# KiCad board open-TWIST_rev0.kicad_pcb (continued)
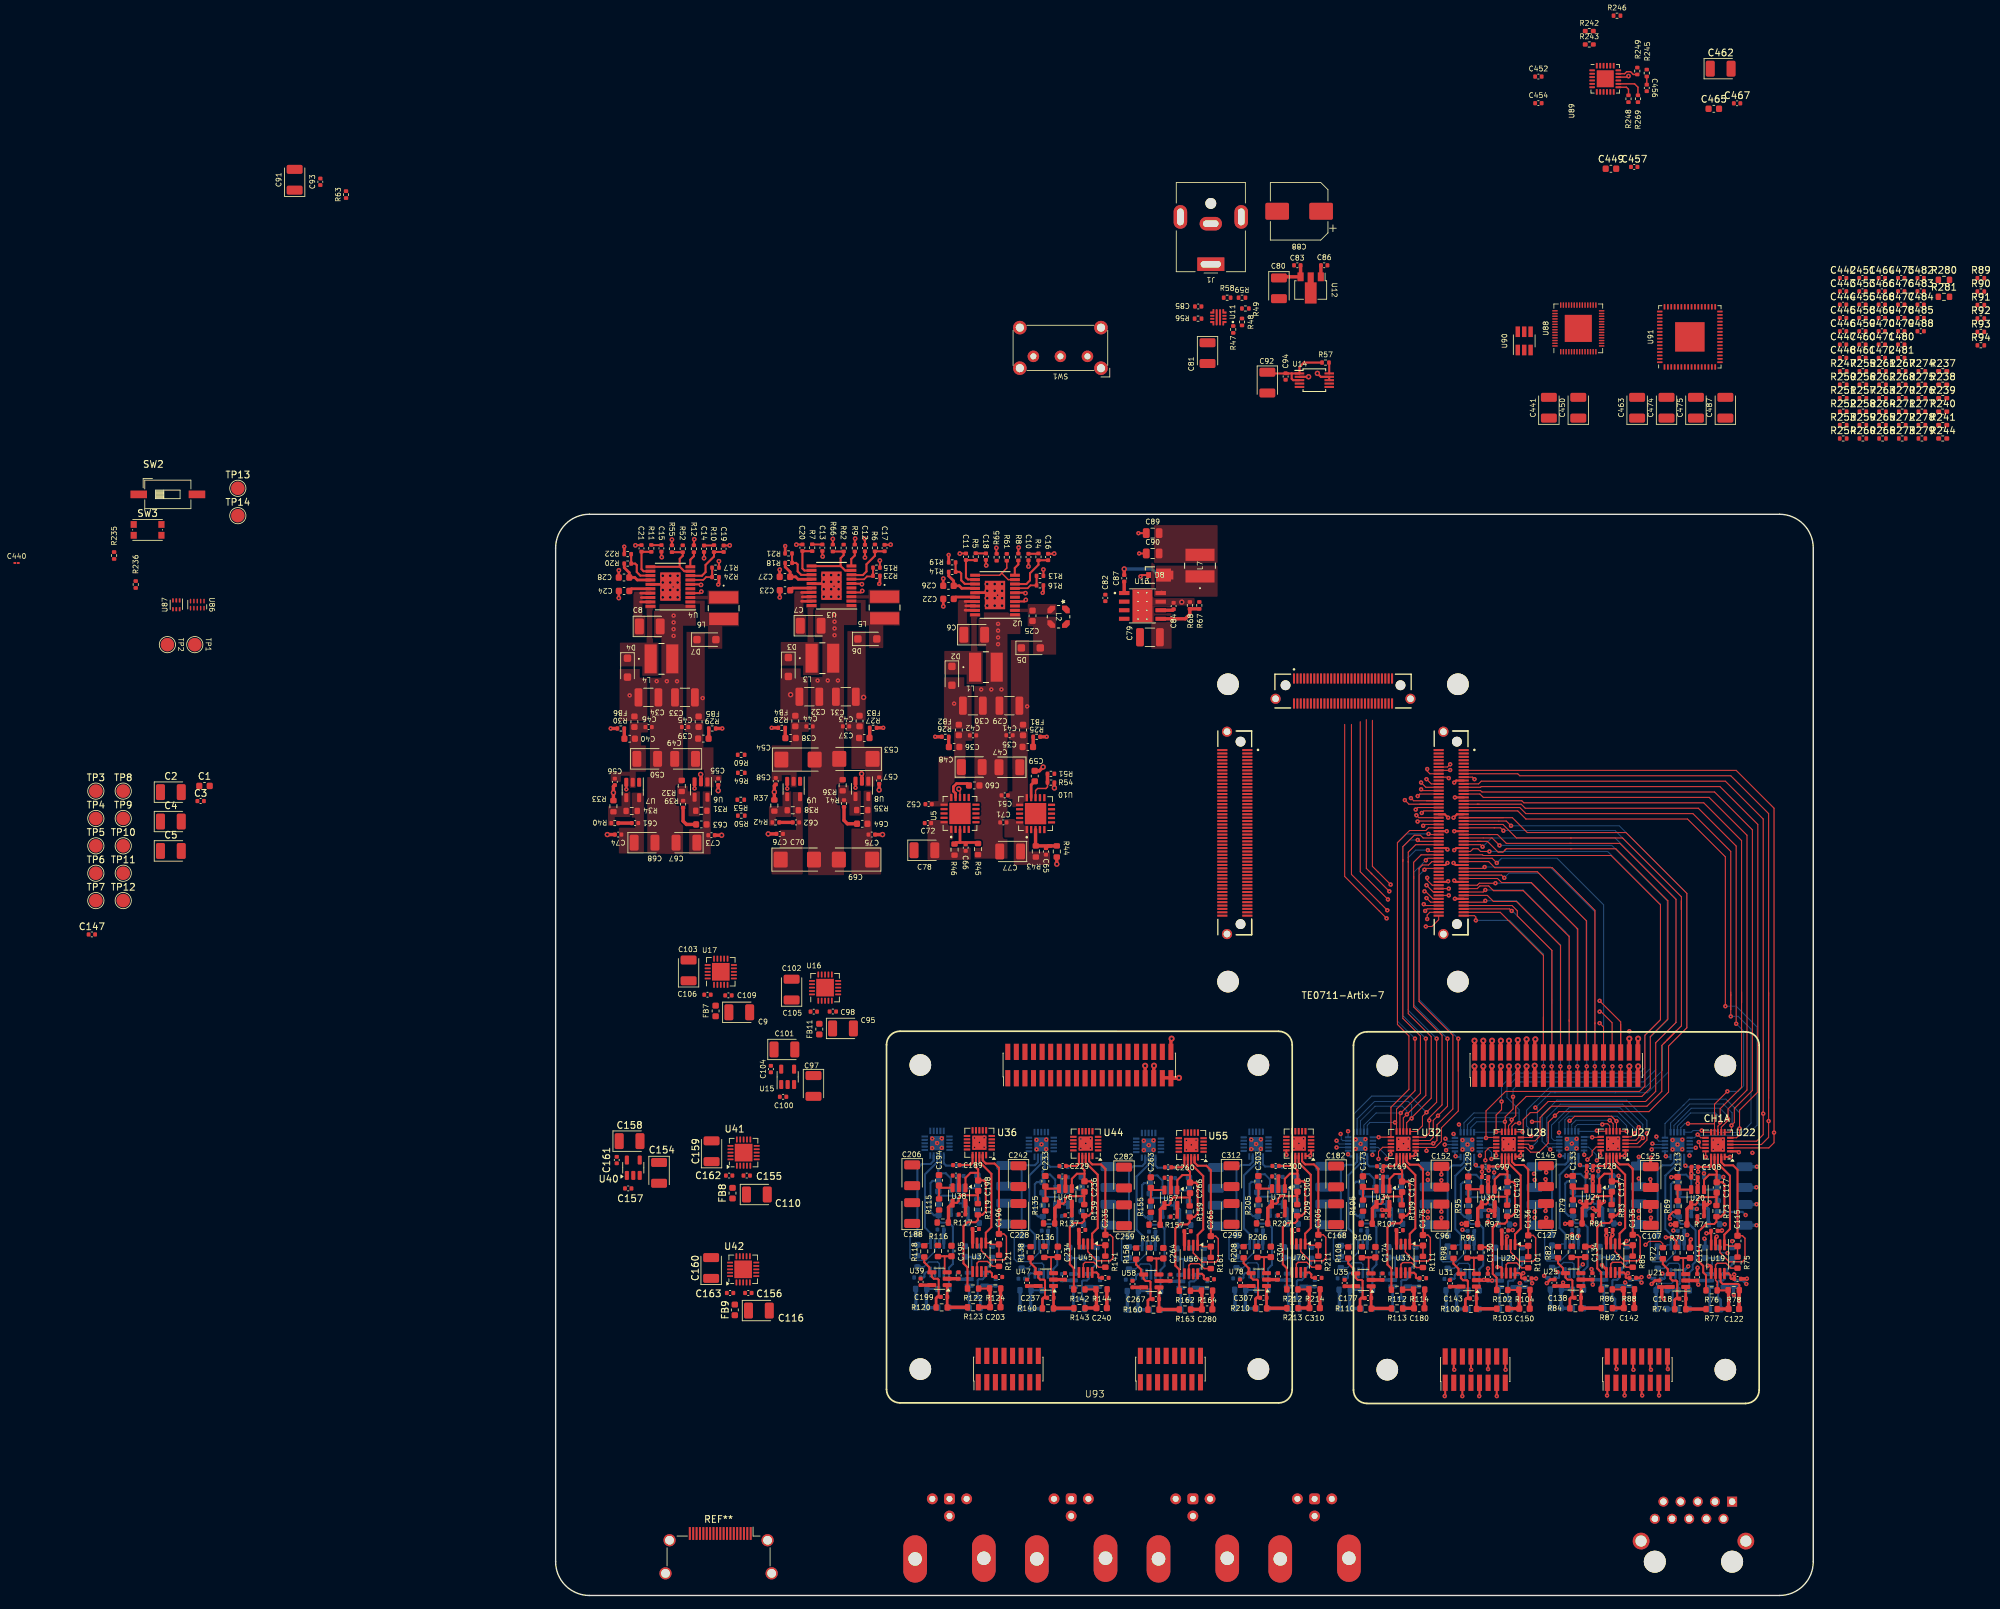
[diagram p0: board, top side]
## Routing (per net, layer and track width the routed paths; a pad name or vN(x,y) marks a point on that pad's centre or on a via; arc(x,y) is an arc through that point) (continued)
/DAC_STIM_B/Vref_DAC8: length 158.8
  IN1 w0.3: 37.3,37.7 171.2,37.7 175.2,41.7 175.2,47.3 176,48.1 v1(176,56.3)
  BOT SIG w0.3: R175.1 175.53,56.77 v1(176,56.3)
/DB5_A0: length 55.1
  TOP SIG w0.15: U26.148 129.1,113.6 128.7,113.2 126.3,113.2 124.5,111.4 124.5,84.5 126.2,82.8 126.2,74.9 123.54,72.24 U32.11 121.73,67.83 v1(121.72,67.82)
  BOT SIG w0.15: U83.11 121.71,67.81 v1(121.72,67.82)
/DB5_A1: length 57.1
  TOP SIG w0.15: U26.152 129.2,112.6 v1(129.1,112.7) ; 124.37,70 U32.10 ; 124.37,70 124.37,71.97 127.1,74.7 v1(127.1,82.4) ; 124.37,70 v1(124.14,70)
  BOT SIG w0.15: v1(124.14,70) 120.44,70 120.04,69.6 U83.10 ; v1(129.1,112.7) 125.8,112.7 124.5,111.4 124.5,85 v1(127.1,82.4)
/DB5_A2: length 58.1
  TOP SIG w0.15: U26.154 128.3,112.1 127.9,112.5 127,112.5 125.3,110.8 125.3,108.9 ; 125.3,108.9 125.3,108.6 ; 125.3,108.9 125.3,85.4 127.9,82.8 127.9,74.3 v1(125,71.4) 124.87,71.27 U32.9
  BOT SIG w0.15: v1(125,71.4) 121.35,71.4 119.54,69.59 U83.9
/DB5_A3: length 60.9
  TOP SIG w0.15: U32.8 125.37,70.67 v1(125.9,71.2) 128.7,74 v1(128.7,82.4) ; v1(127.5,111.8) 127.7,111.6 U26.156
  BOT SIG w0.15: v1(127.5,111.8) 126.3,111.8 125.3,110.8 125.3,85.8 v1(128.7,82.4) ; U83.8 119.04,70.24 121.2,72.4 125.2,72.4 125.9,71.7 v1(125.9,71.2)
/DB5_A4: length 62.6
  TOP SIG w0.15: 126.1,108.6 126.1,86.1 129.5,82.7 129.5,73.6 126.6,70.7 v1(126.6,70.6) 126.5,70.6 125.87,69.97 U32.7 ; 126.1,108.6 126.1,110 127.2,111.1 U26.158 ; 126.1,108.6 126.1,108.5
  BOT SIG w0.15: v1(126.6,70.6) 126.6,72.6 126.1,73.1 121.1,73.1 118.54,70.54 U83.7
/DB5_A5: length 65
  TOP SIG w0.15: v1(129,110.3) 129.2,110.1 U26.162 ; U32.6 127.36,68.66 128.2,69.5 128.2,70.9 v1(128.8,71.5) 130.3,73 v1(130.3,82.4)
  BOT SIG w0.15: v1(130.3,82.4) 126.1,86.6 126.1,109.2 127.2,110.3 v1(129,110.3) ; U83.6 118.04,71.24 120.7,73.9 126.4,73.9 v1(128.8,71.5)
/DB5_A6: length 65
  TOP SIG w0.15: U32.5 128.63,67.83 129.2,68.4 v1(129.2,70.3) 129.2,70.7 131.1,72.6 131.1,82.9 126.9,87.1 126.9,106.4 ; 126.9,106.4 126.9,108.5 128,109.6 U26.164 ; 126.9,106.4 126.9,106.1
  IN1 w0.15: v1(117.2,68.7) 117.2,70 119.2,72 126.9,72 128.6,70.3 v1(129.2,70.3)
  BOT SIG w0.15: v1(117.2,68.7) 117.21,68.69 U83.5
/DB5_A7: length 69.7
  TOP SIG w0.15: U26.166 129,109.1 v1(128.7,108.8) ; U32.4 129.33,67.33 129.8,67.8 129.8,70.3 v1(130.5,71) 131.9,72.4 v1(131.9,82.4)
  IN1 w0.15: v1(116.1,68.3) 116.1,69.9 118.9,72.7 129.6,72.7 130.5,71.8 v1(130.5,71)
  BOT SIG w0.15: U83.4 116.39,67.31 116.2,67.5 116.2,68.2 v1(116.1,68.3) ; v1(128.7,108.8) 126.95,107.05 126.95,87.35 v1(131.9,82.4)
/DB5_A8: length 69
  TOP SIG w0.15: 127.7,107.6 127.7,107.45 ; 127.7,107.6 127.7,87.9 132.7,82.9 132.7,72 130.35,69.65 130.35,67.35 129.9,66.9 v1(129.8,66.9) 129.8,66.8 129.83,66.83 U32.3 ; 127.7,107.6 128.2,108.1 129.1,108.1 129.6,108.6 U26.168
  IN1 w0.15: v1(115.5,67.3) 116.65,67.3 118.65,69.3 128.5,69.3 129.8,68 v1(129.8,66.9)
  BOT SIG w0.15: U83.3 115.91,66.81 115.5,67.22 v1(115.5,67.3)
/DB5_A9: length 73.6
  TOP SIG w0.15: 128.8,66.3 130.1,66.3 131,67.2 131,69.2 133.5,71.7 133.5,82.1 ; 128.8,66.3 127.23,66.3 U32.2 ; 128.8,66.3 v1(128.8,65.8) ; 133.5,82.1 v1(133.5,82.4) ; 133.5,82.1 133.5,77.6 ; U26.172 128.7,107.6 v1(128.5,107.4)
  IN1 w0.15: v1(115.5,66.3) 116.2,66.3 118.5,68.6 128,68.6 128.8,67.8 v1(128.8,65.8)
  BOT SIG w0.15: v1(133.5,82.4) 127.7,88.2 127.7,106.6 v1(128.5,107.4) ; v1(115.5,66.3) 115.51,66.31 U83.2
/DB6_A0: length 91.4
  TOP SIG w0.15: U26.163 137.1,109.6 137.2,109.5 156.1,109.5 163.4,102.2 163.4,85.2 161.1,82.9 161.1,75.38 160.31,74.59 140.49,74.59 137.6,71.7 v1(137.6,67.7) 137.68,67.78 U28.11
  BOT SIG w0.15: U59.11 137.58,67.72 v1(137.6,67.7)
/DB6_A1: length 91.4
  TOP SIG w0.15: U28.10 139.93,68.6 v1(139.1,68.6) 139.1,71.1 139.9,71.9 v1(139.9,73.1) 139.94,73.06 ; U26.161 135.3,110.1 135.7,110.5 136.4,110.5 136.8,110.1 v1(138.1,110.1)
  BOT SIG w0.15: v1(139.1,68.6) 139.05,68.55 U59.10 ; v1(138.1,110.1) 155.6,110.1 163.4,102.3 163.4,85.2 161.1,82.9 161.1,78.1 160.3,77.3 141.8,77.3 139.9,75.4 v1(139.9,73.1)
/DB6_A2: length 97.8
  TOP SIG w0.15: U26.157 136.8,111.1 v1(137.1,110.8) ; 140.44,69.9 140.44,70.04 ; 140.44,69.9 140.44,70.06 v1(140.4,70.1) 140.44,70.14 140.44,70.2 ; 140.44,69.9 U28.9 ; 140.44,70.2 140.44,70.84 141.6,72 v1(141.6,73.8) ; 140.44,70.2 140.44,70.34
  BOT SIG w0.15: v1(137.1,110.8) 138.4,112.1 156.7,112.1 165.7,103.1 165.7,84.8 162.7,81.8 162.7,77.8 160.9,76 142.7,76 141.6,74.9 v1(141.6,73.8) ; v1(140.4,70.1) 136.22,70.1 135.34,69.22 U59.9
/DB6_A3: length 97.5
  TOP SIG w0.15: 150.1,110.5 150.3,110.5 ; 150.1,110.5 140.6,110.5 140.4,110.3 ; 150.1,110.5 156.8,110.5 164.5,102.8 164.5,85.3 161.9,82.7 161.9,75.1 160.65,73.85 143.55,73.85 142,72.3 142,71 v1(141.4,70.4) 141.4,70 140.94,69.54 U28.8 141,68.67 ; 140.4,110.3 140.5,110.4 ; 140.4,110.3 140.1,110 139.4,110 137.8,111.6 136.3,111.6 ; 136.3,111.6 136.9,111.6 ; 136.3,111.6 U26.155
  BOT SIG w0.15: v1(141.4,70.4) 141.1,70.7 135.9,70.7 134.84,69.64 U59.8
/DB6_A4: length 100.4
  TOP SIG w0.15: v1(142.5,69.9) 141.9,69.9 141.44,69.44 U28.7 ; v1(139.6,111) 138.5,112.1 U26.153
  BOT SIG w0.15: 142.5,71.4 142.5,71.9 140.7,73.7 140.7,75.2 142.2,76.7 160.6,76.7 161.9,78 161.9,82.6 164.4,85.1 164.4,102.8 156.2,111 v1(139.6,111) ; 142.5,71.4 135.8,71.4 134.34,69.94 U59.7 ; 142.5,71.4 v1(142.5,69.9)
/DB6_A5: length 101.1
  TOP SIG w0.15: 138,112.6 139.3,112.6 140.6,111.3 150,111.3 ; 138,112.6 138.3,112.6 ; 138,112.6 U26.151 ; 150,111.3 150.3,111.3 ; 150,111.3 157.4,111.3 165.7,103 165.7,84.8 162.7,81.8 162.7,74.6 161.2,73.1 146.8,73.1 145.15,71.45 144.15,71.45 143.1,70.4 143.1,68.71 v1(143,68.61) U28.6
  IN1 w0.15: v1(143,68.61) 143,68.9 142.7,69.2 140.45,69.2 139.95,69.7 v1(133.6,69.7)
  BOT SIG w0.15: U59.6 133.84,69.46 v1(133.6,69.7)
/DB6_A6: length 104.1
  TOP SIG w0.15: 138.8,113.6 138.9,113.6 ; 138.8,113.6 U26.147 ; 138.8,113.6 139.75,113.6 v1(140.18,113.18) ; U28.5 144.08,67.78 v1(144.3,68)
  IN1 w0.15: v1(132.8,68.3) 137.9,68.3 138.2,68 139.35,68 139.48,68.13 142.63,68.13 142.76,68 v1(144.3,68)
  BOT SIG w0.15: v1(144.3,68) 144.3,68.8 143.6,69.5 143.6,71.8 147,75.2 161.2,75.2 163.7,77.7 163.7,81.5 166.5,84.3 166.5,103.4 156.7,113.2 140.2,113.2 v1(140.18,113.18) ; U59.5 133.01,68.09 v1(132.8,68.3)
/DB6_A7: length 118
  TOP SIG w0.15: 145.6,70.1 145.6,68 144.88,67.28 U28.4 ; 145.6,70.1 v1(144.4,70.1) ; 145.6,70.1 145.6,70.7 147.3,72.4 161.4,72.4 163.6,74.6 163.6,81.4 164.05,81.85 ; U26.145 140.1,114.1 142.1,112.1 150.1,112.1 ; 150.1,112.1 157.8,112.1 166.5,103.4 166.5,101.5 166.5,102.8 166.5,84.3 164.3,82.1 165.8,83.6 164.05,81.85 ; 150.1,112.1 150.3,112.1 ; 164.05,81.85 163.9,81.7
  IN1 w0.15: 142.6,71 143,71 ; 142.6,71 133.5,71 131.6,69.1 v1(131.6,67.6) ; 142.6,71 143.5,71 v1(144.4,70.1)
  BOT SIG w0.15: v1(131.6,67.6) 131.98,67.22 U59.4
/DB6_A8: length 114.4
  TOP SIG w0.15: U28.3 143.87,66.78 v1(144.32,66.32) ; v1(141.3,113.9) 140.6,114.6 U26.143
  IN1 w0.15: v1(131.49,66.72) 131,67.22 131,69.4 133.3,71.7 144.4,71.7 v1(144.9,72.2)
  BOT SIG w0.15: v1(131.49,66.72) 131.5,66.72 U59.3 ; v1(141.3,113.9) 157.3,113.9 167.3,103.9 167.3,84 164.6,81.3 164.6,77.5 161.5,74.4 147.1,74.4 v1(144.9,72.2) 145.2,71.9 145.2,67.2 v1(144.32,66.32)
/DB6_A9: length 127.1
  TOP SIG w0.15: U28.2 143.52,66.28 144.2,65.6 145.45,65.6 146.8,66.95 146.8,70 v1(147.8,71) 148.4,71.6 161.7,71.6 164.6,74.5 164.6,81.3 167.3,84 167.3,103.9 158.3,112.9 143.7,112.9 141.5,115.1 U26.141 140.2,115.1
  IN1 w0.15: v1(147.8,71) 145.8,73 143.7,73 143.2,72.5 133.1,72.5 130.5,69.9 130.5,66.87 131.47,65.9 v1(131.7,65.9)
  BOT SIG w0.15: U59.2 132.02,66.22 v1(131.7,65.9)
/DB7_A0: length 113.2
  TOP SIG w0.15: 127.8,117.1 U26.134 126.2,117.1 v1(125.6,117.7) ; v1(153.3,67.8) 154.5,67.8 U27.11
  IN1 w0.15: 171.25,84.75 167,80.5 164.1,80.5 156.8,73.2 155.6,73.2 153.3,70.9 v1(153.3,67.8) ; 171.25,84.75 171.2,84.7 ; 171.25,84.75 172.03,85.53 172.03,87.1 172.55,87.62 172.55,90.9 ; 172.55,90.9 172.55,98.4 ; 172.55,90.9 172.55,91.03 ; 172.55,98.4 172.55,109.15 167.2,114.5 135.65,114.5 134.4,115.75 132.05,115.75 130.7,117.1 126.2,117.1 v1(125.6,117.7) ; 172.55,98.4 172.55,98.65
  BOT SIG w0.15: U67.11 153.25,67.85 v1(153.3,67.8)
/DB7_A1: length 112.3
  TOP SIG w0.15: U27.10 154.1,68.7 v1(154,68.8) ; 128.8,117.6 U26.132 126.9,117.6 v1(126.5,118)
  IN1 w0.15: v1(126.5,118) 126.85,117.65 130.75,117.65 132.3,116.1 135.6,116.1 136.4,115.3 167.9,115.3 173.35,109.85 173.35,87.85 173.6,87.6 173.6,86.9 172.9,86.2 172.9,85.1 167.6,79.8 164.5,79.8 157.2,72.5 156.2,72.5 155.1,71.4 ; 155.1,71.4 154,70.3 v1(154,68.8) ; 155.1,71.4 155,71.3
  BOT SIG w0.15: v1(154,68.8) 153.88,68.68 U67.10
/DB7_A2: length 112.9
  TOP SIG w0.15: v1(154.8,69.7) 154.9,69.8 155.6,69.8 155.9,69.5 U27.9 ; v1(127.5,118.3) 127.8,118.6 U26.128
  IN1 w0.15: v1(154.8,69.7) 154.8,70.3 156.2,71.7 157.5,71.7 ; 174.15,90.8 174.15,86.45 174.4,86.2 174.4,85.3 168,78.9 164.9,78.9 157.7,71.7 157.5,71.7 ; 174.15,90.8 174.15,91.03 ; 174.15,90.8 174.15,110.75 168.8,116.1 136.2,116.1 135.8,116.5 132.6,116.5 131.1,118 127.8,118 v1(127.5,118.3) ; 157.5,71.7 156.75,71.7
  BOT SIG w0.15: U67.9 150.77,69.35 151.12,69.7 v1(154.8,69.7)
/DB7_A3: length 115
  TOP SIG w0.15: v1(155.91,70.31) 156.4,69.82 U27.8 ; v1(128,119.3) 128.2,119.1 U26.126
  IN1 w0.15: v1(128,119.3) 128.5,118.8 131.2,118.8 133.1,116.9 169.6,116.9 174.95,111.55 174.95,85.45 175.2,85.2 175.2,82.6 174.3,81.7 171.9,81.7 168.1,77.9 164.8,77.9 158.05,71.15 156.74,71.15 v1(155.91,70.31)
  BOT SIG w0.15: v1(155.91,70.31) 150.89,70.31 150.27,69.7 U67.8
/DB7_A4: length 120.7
  TOP SIG w0.15: v1(128,120.3) 128.7,119.6 U26.124 ; v1(149.96,70.24) 150,70.2 150.71,70.91 156.16,70.91 156.29,70.79 ; 156.9,69.3 156.9,69.8 ; 156.9,69.3 U27.7 ; 156.9,69.3 156.9,70.17 ; 156.9,70.17 156.29,70.79 ; 156.9,70.17 156.29,70.79
  IN1 w0.15: 175.75,83.05 175.75,83.3 ; 175.75,83.3 175.75,82.25 174.4,80.9 172.2,80.9 168.3,77 165.1,77 158.3,70.2 v1(156.9,70.2) ; 175.75,83.3 175.75,90.9 ; 175.75,103 175.75,112.35 170.4,117.7 135.6,117.7 134.4,118.9 132,118.9 131.4,119.5 128.8,119.5 v1(128,120.3) ; 175.75,103 175.75,90.9 ; 175.75,103 175.75,103.45 ; 175.75,90.9 175.75,91.03
  BOT SIG w0.15: v1(149.96,70.24) 149.77,70.05 U67.7
/DB7_A5: length 123.9
  TOP SIG w0.15: v1(158.4,68.7) U27.6 ; U26.122 129.5,120.1 v1(128.8,120.8)
  IN1 w0.15: v1(158.4,68.7) 158.4,69.3 165.3,76.2 174.5,76.2 176.55,78.25 176.55,89.3 ; 176.55,89.18 176.55,89.3 ; 176.55,89.3 176.55,113.05 171.1,118.5 136.1,118.5 135.1,119.5 132.3,119.5 131,120.8 v1(128.8,120.8)
  BOT SIG w0.15: U67.6 149.27,70.4 149.79,70.91 157.03,70.91 158.4,69.55 v1(158.4,68.7)
/DB7_A6: length 126.1
  TOP SIG w0.15: U26.118 131.95,121.1 v1(132.1,120.95) ; U27.5 159.07,67.87 v1(159.6,68.4)
  IN1 w0.15: v1(159.6,68.4) 159.6,69.6 165.55,75.55 174.75,75.55 177.35,78.15 177.35,104.3 ; 177.35,104.3 177.35,113.85 171.9,119.3 136.2,119.3 134.55,120.95 v1(132.1,120.95) ; 177.35,104.3 177.35,105.05
  BOT SIG w0.15: U67.5 148.44,68.46 v1(148.4,68.5) 148.4,70.02 150.08,71.7 157,71.7 159.6,69.1 v1(159.6,68.4)
/DB7_A7: length 137.1
  TOP SIG w0.15: v1(128.9,122.3) 128.9,122 129.3,121.6 U26.116 ; v1(160.2,69.3) 160.2,67.8 159.77,67.37 U27.4
  IN1 w0.15: v1(128.9,122.3) 129.65,121.55 136.35,121.55 137.8,120.1 172.8,120.1 178.15,114.75 178.15,89.4 ; 178.15,89.4 178.15,89.18 ; 178.15,89.4 178.15,77.45 176.4,75.7 ; 176.3,75.6 175.6,74.9 ; 176.3,75.6 176.4,75.7 ; 176.3,75.6 176.2,75.5 ; 175.6,74.9 176.4,75.7 ; 175.6,74.9 175.4,74.7 174.2,74.7 173.7,75.2 173,75.2 172.4,74.6 165.5,74.6 v1(160.2,69.3)
  BOT SIG w0.15: v1(160.2,69.3) 160.2,69.4 157.4,72.2 149.9,72.2 147.3,69.6 147.3,67.7 147.65,67.35 U67.4
/DB7_A8: length 140
  TOP SIG w0.15: U27.3 159.97,66.87 v1(160.8,67.7) ; v1(132.3,122.15) 132.25,122.1 U26.114
  IN1 w0.15: 176.8,74 178.95,76.15 178.95,89.7 ; 176.8,74 165.9,74 160.8,68.9 ; 176.8,74 175.59,74 ; 178.95,89.7 178.95,115.45 173.5,120.9 137.8,120.9 136.55,122.15 v1(132.3,122.15) ; 178.95,89.7 178.95,89.18
  BOT SIG w0.15: v1(160.8,67.7) 160.8,69.7 157.8,72.7 148.6,72.7 146.6,70.7 146.6,67.2 146.95,66.85 U67.3
/DB7_A9: length 145.3
  TOP SIG w0.15: v1(161.4,68.4) 161.4,67.4 160.37,66.37 U27.2 ; v1(132.3,123) 131.9,122.6 U26.112
  IN1 w0.15: v1(161.4,68.4) 166,73 177.1,73 179.8,75.7 179.8,116.1 174.3,121.6 138.2,121.6 136.8,123 v1(132.3,123)
  BOT SIG w0.15: U67.2 147.45,66.35 v1(147.1,66) 145.9,67.2 145.9,71.1 148.1,73.3 158.4,73.3 161.4,70.3 v1(161.4,68.4)
/DB8_A0: length 96.3
  TOP SIG w0.15: v1(168.9,68.2) 169.37,67.73 U22.11 ; v1(173,87.2) 173,109.3 167.4,114.9 143.5,114.9 142.3,116.1 U26.137
  BOT SIG w0.15: v1(173,87.2) 174.6,87.2 177.7,84.1 177.7,69.6 176.2,68.1 169,68.1 v1(168.9,68.2) 168.43,67.73 U63.11
/DB8_A1: length 99.2
  TOP SIG w0.15: 173.8,85.6 v1(173.8,85.7) 173.8,86.7 ; 173.8,86.7 173.8,89.3 ; 173.8,86.7 173.8,110.1 168.2,115.7 143.5,115.7 142.6,116.6 U26.135 ; v1(169.5,68.8) 169.74,68.56 U22.10
  BOT SIG w0.15: v1(173.8,85.7) 174.9,85.7 176.8,83.8 176.8,69.9 175.4,68.5 171.9,68.5 171.6,68.8 168.24,68.8 168,68.56 U63.10
/DB8_A2: length 94.6
  TOP SIG w0.15: 171.4,69.8 167.49,69.8 v1(167.47,69.82) ; 171.4,69.8 U22.9 ; 171.4,69.8 171.4,72.7 v1(173.3,74.6) ; U26.133 136.3,117.1 ; 136.3,117.1 136.61,117.1 ; 136.3,117.1 142.8,117.1 143.4,116.5 169,116.5 174.6,110.9 v1(174.6,84.6)
  BOT SIG w0.15: v1(173.3,74.6) 174.9,74.6 175.7,75.4 175.7,83.5 v1(174.6,84.6) ; U63.9 166.4,69.23 167.03,69.87 167.43,69.87 v1(167.47,69.82)
/DB8_A3: length 98.7
  TOP SIG w0.15: U26.131 142.9,117.6 143.2,117.3 169.8,117.3 175.4,111.7 175.4,87.7 ; U22.8 171.9,69.46 172.23,69.79 v1(172.23,70.01) 172.23,72.03 175.4,75.2 175.4,87.7 ; 175.4,87.7 175.4,89.3
  BOT SIG w0.15: v1(172.23,70.01) 172.23,70.71 171.54,71.4 167.86,71.4 165.9,69.44 U63.8
/DB8_A4: length 101.1
  TOP SIG w0.15: U26.127 136.7,118.6 137.2,118.1 170.6,118.1 176.2,112.5 176.2,74.8 173.4,72 v1(173.4,70.5) 173.5,70.4 172.4,69.3 U22.7
  BOT SIG w0.15: 166.02,70.18 165.4,69.55 U63.7 ; 166.02,70.18 167.95,72.1 172.2,72.1 173.4,70.9 v1(173.4,70.5) ; 166.02,70.18 166.1,70.25
/DB8_A5: length 106
  TOP SIG w0.15: U26.125 136.8,119.1 137,118.9 171.4,118.9 177,113.3 177,74.73 174.33,72.06 174.33,69.99 v1(173.9,69.56) 173.9,69.56 173.9,68.8 173.66,68.56 U22.6
  BOT SIG w0.15: v1(173.9,69.56) 174,69.66 174,71.43 172.7,72.73 167.73,72.73 164.9,69.9 U63.6
/DB8_A6: length 112.4
  TOP SIG w0.15: U22.5 174.65,67.73 175.1,68.18 v1(175.1,69.1) 175.1,71.81 177.8,74.51 177.8,114.1 172.2,119.7 136.9,119.7 136.8,119.6 U26.123
  BOT SIG w0.15: U63.5 164.07,69.82 166.78,72.54 ; 166.78,72.54 167.69,73.44 173.1,73.44 175.1,71.44 v1(175.1,69.1) ; 166.78,72.54 166.88,72.63
/DB8_A7: length 118.7
  TOP SIG w0.15: U22.4 177.63,67.23 178.6,68.2 v1(178.6,71.3) 178.6,114.9 173,120.5 136.9,120.5 136.5,120.1 U26.121
  IN1 w0.15: v1(162.8,67.9) 162.8,68.8 165.9,71.9 178,71.9 v1(178.6,71.3)
  BOT SIG w0.15: v1(162.8,67.9) 162.8,67.6 163.17,67.23 U63.4
/DB8_A8: length 143.1
  TOP SIG w0.15: 179.4,89.3 179.4,73.6 ; 179.4,73.6 v1(179.4,70.2) 179.4,67.8 178.33,66.73 U22.3 177.77,66.73 ; 179.4,73.6 179.4,115.7 173.8,121.3 142.6,121.3 142.3,121.6 U26.115
  IN1 w0.15: v1(162.21,66.87) 162.87,66.87 163.6,67.6 163.6,68.3 166.6,71.3 177.5,71.3 178.6,70.2 v1(179.4,70.2)
  BOT SIG w0.15: v1(162.21,66.87) 162.35,66.73 U63.3
/DB8_A9: length 127.3
  TOP SIG w0.15: U26.113 174.6,122.1 180.2,116.5 v1(180.2,68.5) 180.2,67 179.43,66.23 U22.2
  IN1 w0.15: v1(162.11,66) 163.7,66 164,66.3 164,67.7 165.5,69.2 168.2,69.2 168.4,69.4 170.2,69.4 171.1,68.5 v1(180.2,68.5)
  BOT SIG w0.15: v1(162.11,66) 162.34,66.23 U63.2
/DB_IO_A0: length 33.5
  TOP SIG w0.15: U18.17 146.09,78.29 v1(146.1,78.3) ; v1(136.1,99.9) 136.1,100.4 135.9,100.6 U26.199
  BOT SIG w0.15: 146.1,86.8 146.1,87.4 ; 146.1,86.8 v1(146.1,78.3) ; 146.1,86.8 146.1,94.9 141.1,99.9 v1(136.1,99.9)
/DB_IO_A1: length 34
  TOP SIG w0.15: U26.197 139.7,101.1 146.09,94.71 U18.18 146.09,85.59 146.1,85.6
/DB_IO_A2: length 35.3
  TOP SIG w0.15: v1(141.4,101.3) 141.1,101.6 U26.195 ; v1(147.3,78.3) 147.36,78.24 U18.19
  BOT SIG w0.15: v1(147.3,78.3) 147.3,87.6 ; 147.3,87.6 147.3,88.3 ; 147.3,87.6 147.3,95.49 141.49,101.3 v1(141.4,101.3)
/DB_IO_A3: length 31.3
  TOP SIG w0.15: U26.193 141.45,102.1 142.22,101.32 142.22,100.58 147.36,95.44 U18.20
/DB_IO_A4: length 36.9
  TOP SIG w0.15: U18.21 148.63,78.27 v1(148.6,78.3) ; U26.191 137.3,102.6 v1(137.5,102.8)
  BOT SIG w0.15: v1(137.5,102.8) 142.1,102.8 148.6,96.3 v1(148.6,78.3)
/DB_IO_A5: length 33.2
  TOP SIG w0.15: U18.22 148.63,96.17 142.1,102.7 138.7,102.7 137.8,103.6 U26.187
/DB_IO_A6: length 41.3
  TOP SIG w0.15: U18.23 v1(149.9,78.2) ; U26.185 137.2,104.1 v1(137.5,104.4)
  BOT SIG w0.15: v1(149.9,78.2) 149.9,97.6 149.25,98.25 ; v1(137.5,104.4) 143.1,104.4 149.4,98.1 149.25,98.25 ; 149.25,98.25 148.4,99.1
/DB_IO_A7: length 36.2
  TOP SIG w0.15: U26.183 136.3,104.6 136.7,105 138,105 138.7,104.3 143.1,104.3 149.9,97.5 149.9,85 ; 149.9,85 149.9,85.2 ; 149.9,85 U18.24
/DB_IO_A8: length 41.9
  TOP SIG w0.15: U18.25 151.17,78.23 v1(151.1,78.3) ; U26.181 136.31,105.1 136.61,105.4 v1(139,105.4)
  BOT SIG w0.15: v1(139,105.4) 144.3,105.4 151.1,98.6 v1(151.1,78.3)
/DB_IO_A9: length 38.2
  TOP SIG w0.15: U26.177 139.3,106.1 139.9,105.5 144.3,105.5 151.17,98.63 U18.26
/DB_IO_A10: length 45
  TOP SIG w0.15: U18.27 152.44,78.24 v1(152.5,78.3) ; v1(140.3,106.2) 139.9,106.6 U26.175
  BOT SIG w0.15: v1(140.3,106.2) 141,106.9 145.4,106.9 152.5,99.8 v1(152.5,78.3)
/DB_IO_A11: length 40.6
  TOP SIG w0.15: U26.173 145.2,107.1 152.44,99.86 U18.28
/DB_IO_A12: length 47
  TOP SIG w0.15: v1(137.4,107.8) 137.2,107.6 U26.171 ; U18.29 153.71,78.29 v1(153.7,78.3)
  BOT SIG w0.15: v1(153.7,78.3) 153.7,101.2 147.1,107.8 v1(137.4,107.8)
/DB_IO_A13: length 43.6
  TOP SIG w0.15: U26.167 138,108.6 138.9,107.7 147.4,107.7 153.71,101.39 153.71,84.6 ; 153.71,84.6 U18.30 ; 153.71,84.6 153.71,84.79
/DB_IO_A14: length 50.7
  TOP SIG w0.15: v1(155,78.3) 154.98,78.28 U18.31 ; U26.165 138.5,109.1 v1(139.2,108.4)
  BOT SIG w0.15: v1(155,78.3) 155,102.2 148.1,109.1 139.9,109.1 v1(139.2,108.4) 139.8,109
/DB_IO_A15: length 54.2
  TOP SIG w0.15: U18.32 154.98,84.12 v1(154.4,84.7) ; v1(128.3,113.9) 128.5,114.1 U26.146
  IN1 w0.15: v1(154.4,84.7) 152.6,84.7 150.7,86.6 150.7,100.5 146.5,104.7 138.4,104.7 133.85,109.25 131.35,109.25 128.3,112.3 v1(128.3,113.9)
/DB_IO_A16: length 62.8
  TOP SIG w0.15: v1(128.1,115.8) 128.4,116.1 U26.138 ; v1(156.3,78.3) 156.25,78.25 U18.33
  IN1 w0.15: 156.3,88.2 156.3,102.4 148.4,110.3 139,110.3 136,113.3 135.3,113.3 134.75,113.85 131.25,113.85 129.3,115.8 v1(128.1,115.8) ; 156.3,88.2 156.3,88.7 ; 156.3,88.2 v1(156.3,78.3)
/DB_IO_A17: length 56.7
  TOP SIG w0.15: v1(127.48,114.53) 127.56,114.6 U26.144 ; U18.34 156.25,84.75 154.6,86.4 v1(154.4,86.4)
  IN1 w0.15: v1(154.4,86.4) 153.7,86.4 152.3,87.8 152.3,101.5 146.5,107.3 139.1,107.3 137.9,108.5 135.55,108.5 132.85,111.2 131.9,111.2 128.57,114.53 v1(127.48,114.53)
/DB_IO_A18: length 66
  TOP SIG w0.15: U18.35 157.52,78.28 v1(157.5,78.3) ; v1(127.2,116.3) 127.5,116.6 U26.136
  IN1 w0.15: v1(157.5,78.3) 157.5,103.1 148.6,112 138.9,112 137.1,113.8 135.4,113.8 134.8,114.4 131.5,114.4 129.5,116.4 127.3,116.4 v1(127.2,116.3)
/DB_IO_A19: length 63.9
  TOP SIG w0.15: v1(127.31,115.46) 127.66,115.1 U26.142 ; 157.52,84.58 U18.36 157.52,84.88 v1(154.4,88)
  IN1 w0.15: v1(154.4,88) 154.4,101.8 146.8,109.4 138,109.4 137.5,108.9 135.64,108.9 132.54,112 131.9,112 131.1,112.8 131.1,113.4 129.4,115.1 127.66,115.1 v1(127.31,115.46)
/DB_IO_B16: length 1.9
  TOP SIG w0.5: 87.2,78.4 v2(87.19,78.39) U93.33
/DB_IO_B18: length 1.9
  TOP SIG w0.5: v2(88.5,78.4) 88.46,78.36 U93.35
/FPGA/JTAG_TCK: length 40.5
  TOP SIG w0.15: 116.7,128.9 116.7,106.4 v1(122.9,100.2) ; v1(128.7,99) 129.6,99 130.6,100 U26.200
  IN1 w0.15: v1(128.7,99) 124.1,99 v1(122.9,100.2)
/FPGA/JTAG_TDI: length 36.3
  TOP SIG w0.15: U26.196 128.9,101.6 v1(128.6,101.3) ; v1(123.1,103) 119,107.1 119,129.3
  IN1 w0.15: v1(128.6,101.3) 124.8,101.3 v1(123.1,103)
/FPGA/JTAG_TDO: length 38.6
  TOP SIG w0.15: 117.7,128.9 117.7,106.7 v1(123,101.4) ; v1(128.9,100.1) 128.9,100.7 129.3,101.1 U26.198
  IN1 w0.15: v1(128.9,100.1) 124.3,100.1 v1(123,101.4)
/FPGA/JTAG_TMS: length 35.1
  TOP SIG w0.15: v1(128.4,102.3) 128.6,102.1 U26.194 ; 120.7,106.8 120.6,106.9 ; 120.7,106.8 119.9,107.6 119.9,129.6 ; 120.7,106.8 v1(123.3,104.2)
  IN1 w0.15: v1(128.4,102.3) 125.2,102.3 v1(123.3,104.2)
/FPGA/JTAG_VREF: length 33.6
  TOP SIG w0.15: v1(123.5,105.2) 120.8,107.9 120.8,129.5 ; v1(128.8,103.2) 129.4,102.6 U26.192
  IN1 w0.15: v1(123.5,105.2) 125.5,103.2 v1(128.8,103.2)
EN_5VA: length 6.3
  TOP SIG w0.2: R54.2 72.75,119.65 72.52,119.42 71.28,119.42 70.98,119.12 U10.13 ; v3(59.63,119.35) 59.81,119.17 U5.13
  TOP SIG w0.5: R51.2 R54.2
EN_DC_5VA: length 8.6
  TOP SIG w0.2: 65.97,151.28 66.72,152.03 R61.2 ; 65.97,151.28 65.67,150.97 U2.11 ; 65.97,151.28 66.94,150.32 U2.9
EN_DC_VANH: length 10.1
  TOP SIG w0.3: 43.73,151.68 42.83,151.68 42.17,152.32 42.15,152.32 ; 42.15,152.32 42.15,153.5 42.6,153.95 R62.2 R66.2 ; 42.15,152.32 37.83,152.32
EN_DC_VANL: length 10.1
  TOP SIG w0.3: 18.35,152.22 18.35,153.4 18.8,153.85 R52.2 R55.2 ; 18.35,152.22 14.02,152.22 ; 18.35,152.22 18.38,152.22 19.02,151.57 19.92,151.57
EN_VANH: length 2
  TOP SIG w0.3: 34.25,120.44 v1(34.25,119.4) ; U8.3 v1(44.35,119.53)
EN_VANL: length 2
  TOP SIG w0.3: U6.3 v1(20.55,119.42) ; U7.3 v1(10.45,119.3)
SYNC_DC_5VA: length 1.7
  TOP SIG w0.3: 67.91,147.1 69.31,147.1 v4(69.53,147.32)
SYNC_DC_VANH: length 1.7
  TOP SIG w0.3: v4(45.35,148.65) 45.12,148.43 43.73,148.43
SYNC_DC_VANL: length 1.7
  TOP SIG w0.3: v4(21.55,148.55) 21.33,148.32 19.92,148.32
Net-(C10-Pad2): length 1.5
  TOP SIG w0.3: 71.41,154.2 71.36,154.16 69.93,154.16
Net-(C11-Pad2): length 0.9
  TOP SIG w0.3: v4(59.78,154.18) 59.81,154.2 60.68,154.2
Net-(C12-Pad2): length 1
  TOP SIG w0.3: 45.75,154.52 v4(45.75,153.6) ; 47.17,155.48 R6.1
Net-(C13-Pad2): length 1.6
  TOP SIG w0.3: 38.1,155.5 38.04,155.56 ; C13.2 37.98,155.53 R7.1
Net-(C14-Pad2): length 1.5
  TOP SIG w0.3: R10.1 23.38,155.38 21.95,155.38
Net-(C15-Pad2): length 1.6
  TOP SIG w0.3: C15.2 14.18,155.43 R11.1 ; 14.3,155.4 14.24,155.46
Net-(C35-Pad1): length 1.5
  TOP SIG w0.5: R25.2 70.63,125.6 70.61,125.58
Net-(C36-Pad2): length 1.5
  TOP SIG w0.5: 58.16,125.56 58.14,125.58 R26.1
Net-(C37-Pad1): length 1.5
  TOP SIG w0.5: C37.1 46.45,126.92 R27.2
Net-(C38-Pad2): length 1.5
  TOP SIG w0.5: C38.2 33.96,126.9 R28.1
Net-(C39-Pad1): length 1.5
  TOP SIG w0.5: C39.1 22.65,126.83 R29.2
Net-(C40-Pad2): length 1.5
  TOP SIG w0.5: R30.1 10.16,126.8 C40.2
Net-(C61-Pad1): length 2
  TOP SIG w0.5: R40.2 C61.1
Net-(C62-Pad1): length 2
  TOP SIG w0.5: R42.2 C62.1
Net-(C63-Pad2): length 4.1
  TOP SIG w0.5: C63.2 19.35,114.1 18.85,114.6 R39.2
Net-(C64-Pad2): length 4.1
  TOP SIG w0.5: C64.2 43.15,114.2 42.65,114.7 R41.2
Net-(D2-A): length 1.1
  TOP SIG w0.4: R19.1 v1(58.13,153.97)
  vias: v1(58.93,131.97)
Net-(D3-A): length 1.1
  TOP SIG w0.4: 33.95,154.2 v1(33.95,155.3)
  vias: v3(34.75,133.3)
Net-(D4-A): length 1.1
  TOP SIG w0.4: R22.2 v1(10.15,155.2)
  vias: v1(10.95,133.2)
Net-(D5-K): length 1.1
  TOP SIG w0.4: R16.2 72.14,148.49 v1(72.03,148.38)
  vias: v1(69.73,131.57)
Net-(D6-K): length 1.1
  TOP SIG w0.4: 47.96,150.8 47.96,149.81 v1(47.85,149.7)
  vias: v3(45.55,132.9)
Net-(D7-K): length 1.1
  TOP SIG w0.4: R24.2 24.16,149.71 v1(24.05,149.6)
  vias: v1(21.75,132.8)
Net-(U2-COMP1): length 7.4
  TOP SIG w0.3: C16.2 71.42,153.19 R4.2 71.41,152.53 70.16,151.28 70.16,150.21 69.62,149.68 U2.8 67.91,149.7
Net-(U2-COMP2): length 1.6
  TOP SIG w0.3: R5.2 62.16,154.2 63.63,154.2 ; 62.28,154.18 62.22,154.24
Net-(U2-FB1): length 4.8
  TOP SIG w0.25: 67.91,149.05 69.81,149.05 70.23,149.47 R16.1
  TOP SIG w0.3: 71.13,150.88 71.13,149.49 R16.1
Net-(U2-FB2): length 5.6
  TOP SIG w0.3: R19.2 R14.1 59.75,151.47 59.98,151.25 59.98,150.22 60.51,149.7 62.01,149.7
Net-(U2-SS): length 2.4
  TOP SIG w0.3: 67.91,151 67.91,152.05 68.43,152.57 R8.2
Net-(U2-VREF): length 5.7
  TOP SIG w0.4: 62.01,149.05 60.06,149.05 59.69,149.41 C26.1 58.87,150.13 58.13,150.88 R14.2
Net-(U2-VREG): length 3.3
  TOP SIG w0.4: 62.01,147.75 59.21,147.75 58.88,147.43
Net-(U3-COMP1): length 7.4
  TOP SIG w0.3: 43.73,151.03 43.75,151 45.44,151 45.98,151.54 45.98,152.6 47.22,153.85 R6.2 47.23,154.52 48.65,154.52
Net-(U3-COMP2): length 5.6
  TOP SIG w0.3: 37.83,151.68 36.8,151.68 36.5,151.97 C20.2 36.53,154.54 R7.2 ; 38,154.58 38.04,154.54
Net-(U3-FB1): length 4.8
  TOP SIG w0.25: 43.73,150.38 45.62,150.38 46.05,150.8 46.94,150.8
  TOP SIG w0.3: 46.95,152.2 46.95,150.81 46.94,150.8
Net-(U3-FB2): length 5.6
  TOP SIG w0.3: 34.97,154.2 R18.1 35.57,152.8 35.8,152.57 35.8,151.55 36.33,151.03 37.83,151.03
Net-(U3-SS): length 2.4
  TOP SIG w0.3: R9.2 44.25,153.9 43.73,153.38 43.73,152.32
Net-(U3-VREF): length 5.7
  TOP SIG w0.4: R18.2 33.95,152.2 34.69,151.46 C27.1 35.51,150.74 35.88,150.38 37.83,150.38
Net-(U3-VREG): length 3.3
  TOP SIG w0.4: 37.83,149.07 35.02,149.07 C23.2
Net-(U4-COMP1): length 7.4
  TOP SIG w0.3: C19.2 23.44,154.42 R10.2 23.42,153.75 22.17,152.5 22.17,151.44 21.64,150.9 19.95,150.9 19.92,150.93
